# Altium PCB psu.PcbDoc (part 1 of 2) (continued)
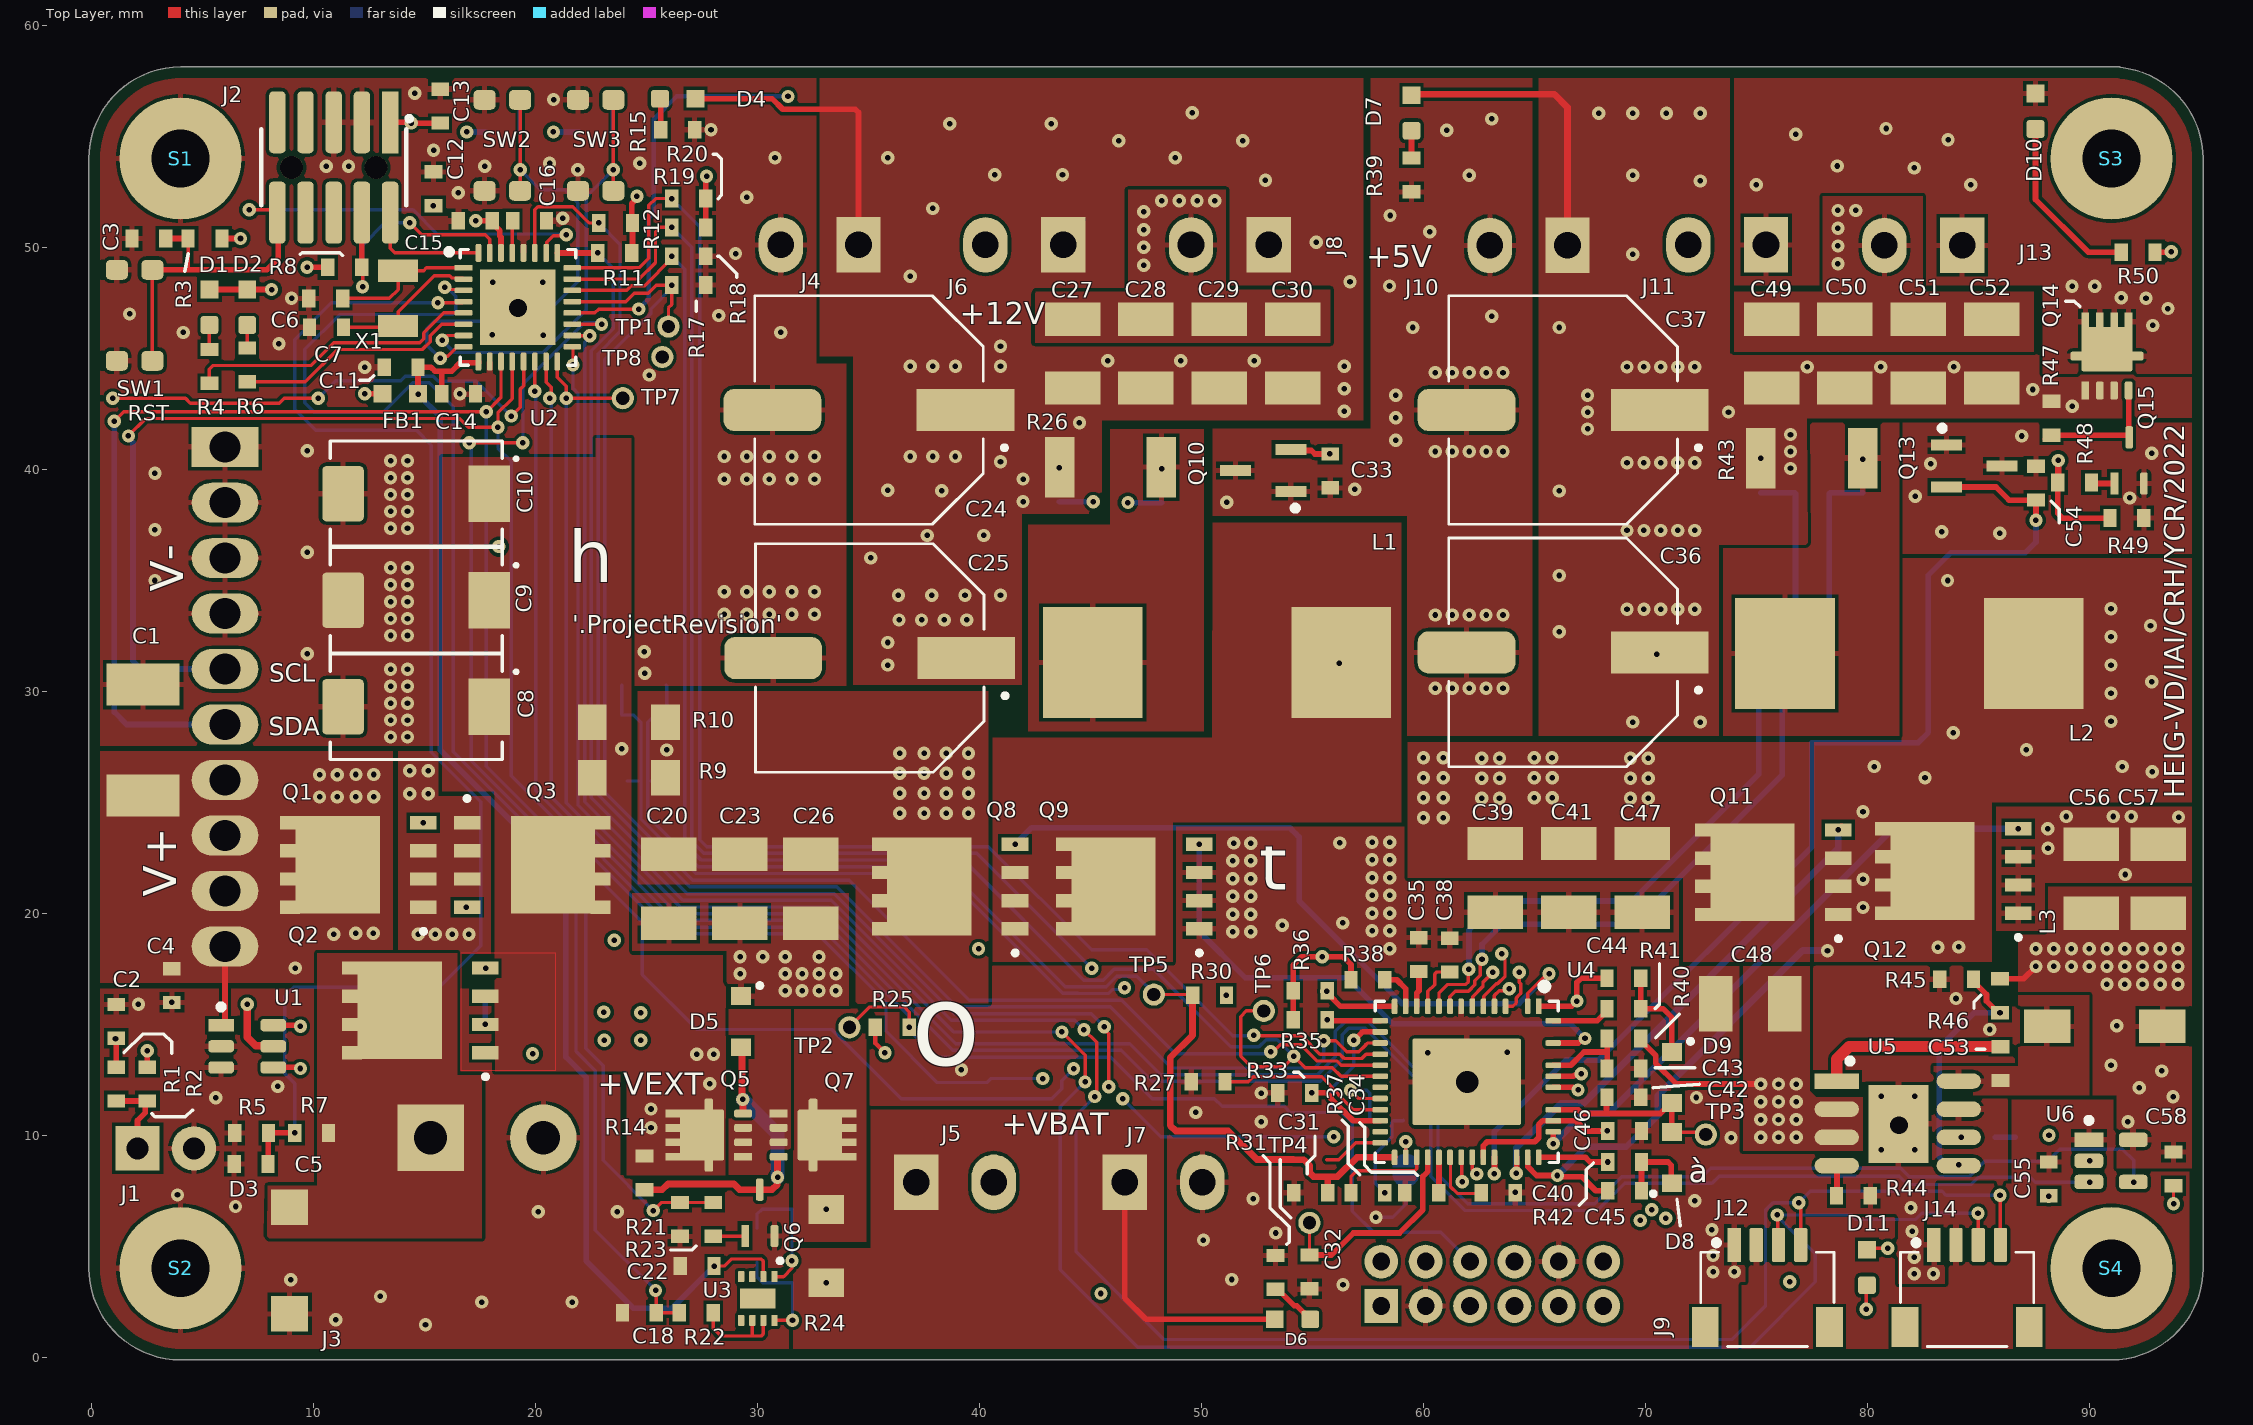
[diagram p0: Top Layer view]
## Design rules (kind name [scope] priority, off if disabled: settings) (continued)
PolygonConnect "Schematic Polygon Connect Style_15" [InComponent('C51')] p21: connectstyle=Direct reliefconductorwidth=0.254 reliefentries=4 polygonreliefangle="45 Angle" airgapwidth=0.254
PolygonConnect "Schematic Polygon Connect Style_14" [InComponent('C50')] p22: connectstyle=Direct reliefconductorwidth=0.254 reliefentries=4 polygonreliefangle="45 Angle" airgapwidth=0.254
PolygonConnect "Schematic Polygon Connect Style_6" [InComponent('C57')] p23: connectstyle=Direct reliefconductorwidth=0.254 reliefentries=4 polygonreliefangle="45 Angle" airgapwidth=0.254
PolygonConnect "Schematic Polygon Connect Style_5" [InComponent('C48')] p24: connectstyle=Direct reliefconductorwidth=0.254 reliefentries=4 polygonreliefangle="45 Angle" airgapwidth=0.254
PolygonConnect "Schematic Polygon Connect Style_4" [InComponent('C53')] p25: connectstyle=Direct reliefconductorwidth=0.254 reliefentries=4 polygonreliefangle="45 Angle" airgapwidth=0.254
PolygonConnect "Schematic Polygon Connect Style_3" [InComponent('C56')] p26: connectstyle=Direct reliefconductorwidth=0.254 reliefentries=4 polygonreliefangle="45 Angle" airgapwidth=0.254
PolygonConnect "Schematic Polygon Connect Style_2" [InComponent('C28')] p27: connectstyle=Direct reliefconductorwidth=0.254 reliefentries=4 polygonreliefangle="45 Angle" airgapwidth=0.254
PolygonConnect "Schematic Polygon Connect Style_1" [InComponent('C22')] p28: connectstyle=Direct reliefconductorwidth=0.254 reliefentries=4 polygonreliefangle="45 Angle" airgapwidth=0.254
PolygonConnect "Schematic Polygon Connect Style" [InComponent('C59')] p29: connectstyle=Direct reliefconductorwidth=0.254 reliefentries=4 polygonreliefangle="45 Angle" airgapwidth=0.254
PolygonConnect [All] p30: thpad.connectstyle=Relief thpad.reliefconductorwidth=0.254 thpad.reliefentries=4 thpad.polygonreliefangle="90 Angle" thpad.airgapwidth=0.15 smdpad.connectstyle=Relief smdpad.reliefconductorwidth=0.254 smdpad.reliefentries=4 smdpad.polygonreliefangle="90 Angle" smdpad.airgapwidth=0.15 via.connectstyle=Direct via.reliefconductorwidth=0.254 via.reliefentries=4 via.polygonreliefangle="90 Angle" via.airgapwidth=0.15
RoutingVias [All] p1: holewidth=0.25 width=0.6 viastyle="Through Hole" minholewidth=0.25 minwidth=0.6 maxholewidth=0.25 maxwidth=0.6
SilkToSilkClearance [All] p1: silktosilkclearance=0.07
SilkToSolderMaskClearance [IsPad] p1: minsilkscreentomaskgap=0.1 clearancetoexposedcopper=TRUE
SolderMaskExpansion [All] p1: expansion=0.06 istentingtop=FALSE
Width [All] p1: maxlimit=0.635 minlimit=0.15 preferedwidth=0.15
25 further rules are at their usual default settings.

## Classes and differential pairs
component class power: C1 C2 C3 C4 C5 C6 C7 C11 C12 C13 C14 C15 C16 C18 C22 C48 C53 C55 C56 C57 C58 C59 C62 C63 C64 D1 D2 D3 D4 D5 D6 D7 D10 D11 FB1 J1 J2 J3 J4 J5 J6 J7 J8 J10 J11 J12 J13 J14 J15 L3 Q1 Q2 Q3 Q5 Q6 Q7 Q14 Q15 R1 R2 R3 R4 R5 R6 R7 R8 R14 R15 R21 R22 R23 R24 R31 R35 R36 R39 R44 R45 R46 R47 R48 R49 R50 R51 R57 R58 R59 R62 R63 R64 S1 S2 S3 S4 SW1 SW2 SW3 TP7 TP8 U1 U2 U3 U5 U6 X1
component class Designator: C8 C9 C10 C17 C19 C20 C21 C23 C24 C25 C26 C27 C28 C29 C30 C31 C32 C33 C34 C35 C36 C37 C38 C39 C40 C41 C42 C43 C44 C45 C46 C47 C49 C50 C51 C52 C54 C60 C61 D8 D9 J9 L1 L2 Q8 Q9 Q10 Q11 Q12 Q13 R9 R10 R11 R12 R13 R16 R17 R18 R19 R20 R25 R26 R27 R30 R33 R37 R38 R40 R41 R42 R43 R52 R53 R55 R56 R60 R61 SB1 TP1 TP2 TP3 TP4 TP5 TP6 U4

## Components (designator, comment, footprint, x,y, rotation, side; value= is the part's Value field where it differs from the comment)
C1 "15nF" SM/C1812 2.311,27.798 r270 top
C2 "100n" SM/C0603 1.1,15.1 r270 top
C3 "100n" SM/C0603 2.6,50.4 r0 top
C4 "100n" SM/C0603 3.607,16.764 r90 top
C5 "100n" SM/C0603 7.2,8.7 r0 top
C6 "15p" SM/C0603 10.563,47.7 r0 top
C7 "15p" SM/C0603 10.6,46.4 r0 top
C8 "47u" CAP-TANTAL-2917-7343 14.619,29.3 r180 top
C9 "47u" CAP-TANTAL-2917-7343 14.619,34.1 r180 top
C10 "47u" CAP-TANTAL-2917-7343 14.619,38.9 r180 top
C11 "1u" SM/C0603 13.963,44.6 r0 top
C12 "100n" SM/C0603 15.4,52.613 r270 top
C13 "100n" SM/C0603 15.697,56.337 r270 top
C14 "100n" SM/C0603 16.5,43.4 r180 top
C15 "100n" SM/C0603 17.3,51.2 r0 top
C16 "1u" SM/C0603 19.7,51.2 r180 top
C17 "1n" SM/C0603 24.917,25.959 r0 bottom
C18 "100n" SM/C0603 24.7,2 r0 top
C19 "1n" SM/C0603 23.876,31.064 r90 bottom
C20 "2.2u" SM/C1210 26,21.1 r90 top
C21 "1n" SM/C0603 25.883,31.064 r90 bottom
C22 "100n" SM/C0603 27.3,4.1 r0 top
C23 "2.2u" SM/C1210 29.2,21.1 r90 top
C24 "150u" CAP_16SVP150M 35.02,42.672 r180 top
C25 "150u" CAP_16SVP150M 35.052,31.496 r180 top
C26 "2.2u" SM/C1210 32.4,21.1 r90 top
C27 "22uF" SM/C1210 44.196,45.212 r90 top
C28 "22uF" SM/C1210 47.498,45.212 r90 top
C29 "22uF" SM/C1210 50.8,45.212 r90 top
C30 "22uF" SM/C1210 54.102,45.212 r90 top
C31 "1u" SM/C0603 54.9,7.4 r180 top
C32 "1u" SM/C0603 54.864,3.81 r270 top
C33 "10n" SM/C0603 55.8,39.9 r270 top
C34 "220p" SM/C0603 59.9,7.4 r180 top
C35 "220p" SM/C0603 59.792,18.161 r90 top
C36 "150u" CAP_16SVP150M 66.294,31.75 r180 top
C37 "150u" CAP_16SVP150M 66.294,42.672 r180 top
C38 "4.7n" SM/C0603 61.189,18.136 r90 top
C39 "2.2u" SM/C1210 63.246,21.59 r90 top
C40 "4.7n" SM/C0603 63.4,7.4 r0 top
C41 "2.2u" SM/C1210 66.548,21.59 r90 top
C42 "4.7u" SM/C0603 69.063,11.709 r0 top
C43 "1u" SM/C0603 69.063,13.005 r0 top
C44 "100n" SM/C0603 69.012,17.069 r180 top
C45 "100n" SM/C0603 69.037,7.493 r180 top
C46 "4.7u" SM/C0603 69.088,10.185 r0 top
C47 "2.2u" SM/C1210 69.85,21.59 r90 top
C48 "10uF" SM/C1210 74.726,15.926 r180 top
C49 "22uF" SM/C1210 75.692,45.212 r90 top
C50 "22uF" SM/C1210 78.994,45.212 r90 top
C51 "22uF" SM/C1210 82.296,45.212 r90 top
C52 "22uF" SM/C1210 85.598,45.212 r90 top
C53 "100n" SM/C0603 86,13.2 r270 top
C54 "10n" SM/C0603 87.6,39.4 r90 top
C55 "2.2u" SM/C0603 88.18,8.05 r90 top
C56 "22uF" SM/C1210 90.1,21.55 r90 top
C57 "22uF" SM/C1210 93.1,21.55 r90 top
C58 "100n" SM/C0603 93.8,8.5 r90 top
C59 "3.3n" SM/C0603 87.4,9.9 r180 bottom
C60 "1n" SM/C0603 77.5,38.9 r180 bottom
C61 "1n" SM/C0603 45.9,38.5 r180 bottom
C62 "100n" SM/C0603 22.7,56.6 r0 bottom
C63 "100n" SM/C0603 18.5,56.6 r0 bottom
C64 "1n" SM/C0603 29.972,5.004 r270 bottom
D1 "USER1" SM/LED0603 5.3,47.3 r270 top
D2 "USER2" SM/LED0603 7,47.3 r270 top
D3 "SMAJ20CA" DO214AC 8.915,4.343 r90 top
D4 "12V" SM/LED0603 26.4,56.7 r180 top
D5 "DDZ6V8CSF-7" SOD323 29.261,15.113 r270 top
D6 "15V" SM/LED0603 54.1,1.7 r0 top
D7 "5VP" SM/LED0603 59.461,56.058 r270 top
D8 "CUS520,H3F" SOD323 71.196,8.985 r90 top
D9 "CUS520,H3F" SOD323 71.196,12.598 r270 top
D10 "5V" SM/LED0603 87.579,56.134 r270 top
D11 "+3.3VEN" SM/LED0603 79.985,4.039 r270 top
FB1 "MI0603L301R-10" SM/L0603 13.9,43.4 r180 top
J1 "E-STOP" CONN/HEADER/2.54mm/2POS 2.06,9.4 r180 top
J2 "FTSH-105-01-L-DV-K-A-P-TR" SAMTEC_FTSH-105-01-L-DV-K-A-P 10.9,53.6 r180 top
J3 "CONN 2 MALE" "CONN 2POS WEIDMULLER 5.08mm" 15.265,9.881 r0 top
J4 "5430425" "CONN2/PHOENIX/MC 1.5-2-G-3.5-GRAY" 34.544,50.114 r180 top
J5 "1844210" "CONN2/PHOENIX/MC 1.5-2-G-3.5-BLACK" 37.14,7.874 r0 top
J6 "5430425" "CONN2/PHOENIX/MC 1.5-2-G-3.5-GRAY" 43.764,50.114 r180 top
J7 "1844210" "CONN2/PHOENIX/MC 1.5-2-G-3.5-BLACK" 46.538,7.874 r0 top
J8 "5430425" "CONN2/PHOENIX/MC 1.5-2-G-3.5-GRAY" 53.03,50.114 r180 top
J9 "98414-G06-12LF‎" "CONN14 2mm" 58.1,2.3 r180 top
J10 "1844210" "CONN2/PHOENIX/MC 1.5-2-G-3.5" 66.492,50.089 r180 top
J11 "1844210" "CONN2/PHOENIX/MC 1.5-2-G-3.5" 75.438,50.114 r180 top
J12 "QWIIC I2C" QWIIC-SM04B-SRSS-TB 75.5,5.05 r0 top
J13 "1844210" "CONN2/PHOENIX/MC 1.5-2-G-3.5" 84.272,50.089 r180 top
J14 "QWIIC I2C" QWIIC-SM04B-SRSS-TB 84.5,5.05 r0 top
J15 "CONN DJI 10POS" "CONN DJI-Mavic2" 6,29.7 r270 bottom locked
L1 "4.7u" WE-7443551470 50.7,31.3 r0 top
L2 "4.7u" WE-7443551470 81.9,31.7 r0 top
L3 "4.7u" IND_311470_WRE 90.7,14.9 r180 top
Q1 "SI7633DP-T1-GE3" PG-TDSON-8_INF 11.938,22.174 r180 top
Q2 "SI7633DP-T1-GE3" PG-TDSON-8_INF 14.732,15.621 r180 top
Q3 "SI7633DP-T1-GE3" PG-TDSON-8_INF 19.914,22.174 r0 top
Q5 "AONR21117" DFN8_3x3_EP_AOS 27.8,10 r180 top
Q6 "RQ5E025AT" SOT323-3/SC-70/SOT65P210X110-3N 30.1,6.5 r90 top
Q7 "AONR21117" DFN8_3x3_EP_AOS 32.5,10 r0 top
Q8 "BSC042N03LSGATMA1" PG-TDSON-8_INF 38.6,21.2 r180 top
Q9 "BSC042N03LSGATMA1" PG-TDSON-8_INF 46.9,21.2 r180 top
Q10 "MMBT3906" SOT23-3 52.725,39.95 r180 top
Q11 "BSC042N03LSGATMA1" PG-TDSON-8_INF 75.692,21.844 r180 top
Q12 "BSC042N03LSGATMA1" PG-TDSON-8_INF 83.8,21.9 r180 top
Q13 "MMBT3906" SOT23-3 84.875,40.15 r0 top
Q14 "AONR21117" DFN8_3x3_EP_AOS 90.8,45.1 r90 top
Q15 "RQ5E025AT" SOT323-3/SC-70/SOT65P210X110-3N 91.8,40.4 r90 top
R1 "150" SM/R0603 1.1,12.3 r270 top
R2 "10k" SM/R0603 2.5,12.3 r90 top
R3 "10k" SM/R0603 5.1,50.4 r0 top
R4 "1k" SM/R0603 5.3,44.638 r90 top
R5 "470" SM/R0603 7.2,10.1 r0 top
R6 "1k" SM/R0603 7,44.7 r90 top
R7 "10k" SM/R0603 9.9,10.1 r0 top
R8 "1k" SM/R0603 11.4,49.1 r180 top
R9 "6m" SM/R1206 24.2,26.1 r0 top
R10 "6m" SM/R1206 24.2,28.6 r0 top
R11 "10k" SM/R0603 23.562,49.749 r0 top
R12 "10k" SM/R0603 23.6,51.1 r0 top
R13 "1k" SM/R0603 23.876,28.169 r270 bottom
R14 "10k" SM/R0603 24.9,8.3 r270 top
R15 "1.8k" SM/R0603 26.4,55.3 r180 top
R16 "1k" SM/R0603 25.908,28.118 r270 bottom
R17 "10k" SM/R0603 26.9,48.3 r180 top
R18 "10k" SM/R0603 26.9,49.6 r180 top
R19 "10k" SM/R0603 26.9,50.9 r0 top
R20 "10k" SM/R0603 26.9,52.2 r0 top
R21 "10k" SM/R0603 26.5,6.2 r90 top
R22 "150" SM/R0603 27.238,2 r180 top
R23 "2" SM/R0603 28,6.2 r270 top
R24 "12m" SM/R1206 33.1,5 r90 top
R25 "10k" SM/R0603 36.068,14.859 r180 top
R26 "3m" SM/R2010 45.9,40.1 r0 top
R27 "23.2k" SM/R0603 50.3,12.4 r0 top
R30 "20k" SM/R0603 50.362,16.3 r180 top
R31 "2.4k" SM/R0603 53.34,3.81 r270 top
R33 "17.8k" SM/R0603 54.2,11.9 r0 top
R35 "10k" SM/R0603 54.9,15.2 r180 top
R36 "10k" SM/R0603 54.9,16.5 r180 top
R37 "10k" SM/R0603 57.5,7.4 r0 top
R38 "10k" SM/R0603 57.5,17 r180 top
R39 "460" SM/R0603 59.461,53.264 r90 top
R40 "2" SM/R0603 69.037,14.351 r0 top
R41 "2" SM/R0603 69.037,15.697 r0 top
R42 "2" SM/R0603 69.063,8.788 r0 top
R43 "3m" SM/R2010 77.5,40.5 r0 top
R44 "200k" SM/R0603 79.375,7.264 r180 top
R45 "22.1k" SM/R0603 84.023,17.018 r0 top
R46 "69.8" SM/R0603 85.979,16.281 r90 top
R47 "10k" SM/R0603 88.3,42.3 r90 top
R48 "2" SM/R0603 89.338,39.4 r0 top
R49 "10k" SM/R0603 91.7,37.8 r180 top
R50 "460" SM/R0603 92.202,49.784 r180 top
R51 "9.31k" SM/R0603 85,9.9 r180 bottom
R52 "100" SM/R0603 79.8,39.7 r90 bottom
R53 "100" SM/R0603 75.2,39.7 r90 bottom
R55 "100" SM/R0603 48.2,39.262 r90 bottom
R56 "100" SM/R0603 43.6,39.3 r90 bottom
R57 "10k" SM/R0603 22.7,55.2 r180 bottom
R58 "10k" SM/R0603 18.5,55.2 r180 bottom
R59 "470k" SM/R0603 17.729,16.764 r90 bottom
R60 "DNP" SM/R0603 58.344,10.668 r180 bottom
R61 "DNP" SM/R0603 58.344,11.887 r0 bottom
R62 "1k" SM/R0603 32.334,6.655 r0 bottom
R63 "1k" SM/R0603 32.334,3.353 r0 bottom
R64 "10k" SM/R0603 79.959,4.089 r270 bottom
S1 "M2.5" HW/HOLE/M2.5#1 3.556,54.356 r0 top
S2 "M2.5" HW/HOLE/M2.5#2 4.064,3.556 r0 top
S3 "M2.5" HW/HOLE/M2.5#3 90.932,54.102 r0 top
S4 "M2.5" HW/HOLE/M2.5#4 91.186,3.556 r0 top
SB1 "WP" JUMPER/SB 59.207,8.407 r270 bottom net-tie
SW1 "RESET" "PB TL6330" 1.93,46.939 r90 top
SW2 "ENABLE 12V" "PB TL6330" 18.5,54.6 r90 top
SW3 "ENABLE 5V" "PB TL6330" 22.7,54.6 r90 top
TP1 "TP" TP/0.6 25.984,46.431 r90 top
TP2 "TP" TP/0.6 34.138,14.859 r90 top
TP3 "TP" TP/0.6 72.726,10.027 r90 top
TP4 "TP" TP/0.6 54.864,6.045 r90 top
TP5 "TP" TP/0.6 47.854,16.332 r90 top
TP6 "TP" TP/0.6 52.807,15.596 r90 top
TP7 "TP" TP/0.6 25.705,45.06 r90 top
TP8 "TP" TP/0.6 23.927,43.205 r90 top
U1 "LTC4412" SOT23-6 7,14 r0 top
U2 "ATSAMD20E14A-MUT" QFN32_5X5MC_MCH 19.2,47.3 r0 top
U3 "INA381" SON50P200X200X80-9N 30.009,2.636 r270 top
U4 "LTC3886" LT3886 61.95,12.399 r270 top
U5 "AP64350SP-13" SOIC8-POWER_PAD 81.373,10.531 r180 top
U6 "AP22814AW5-7" SOT23-5 90.983,8.839 r0 top
X1 "32.768k" RT3215-32.768-12.5 13.8,47.7 r90 top

## Footprints (in the part's own frame and the unit in brackets; to place one, negate y for a bottom-side part, rotate by r counter-clockwise, add the part's x,y. Pads: shape width x height; smd on the part's side, far side on the other; paste and mask are expansions set on the pad)
CAP-TANTAL-2917-7343 [mm]
  rect 1.87x2.541 smd paste+0 mask+0: 1(-3.3,0)
  rrect20% 1.87x2.5 smd paste+0 mask+0: 2(3.3,0)
  silkscreen extent -4.57,-2.37 3.87,2.37, body extent -3.7,-2.22 3.7,2.22, height 3.01
CAP_16SVP150M [mm]
  rect 4.4x1.9 smd: 1(-4.35,0)
  rrect50% 4.4x1.9 smd: 2(4.35,0)
  silkscreen extent -6.2,-5.15 5.15,5.15, body extent -5.5,-5.15 5.5,5.15, height 7.9
"CONN2/PHOENIX/MC 1.5-2-G-3.5" [mm]
  rect 2x2.5 hole 1.2: 1(0,0)
  oval 2x2.5 hole 1.2: 2(3.5,0)
  body extent -2.41,-8.03 5.99,1.17, height 7.25
"CONN2/PHOENIX/MC 1.5-2-G-3.5-BLACK" [mm]
  rect 2x2.5 hole 1.2: 1(0,0)
  oval 2x2.5 hole 1.2: 2(3.5,0)
  body extent -2.44,-8 5.96,1.2, height 7.25
"CONN2/PHOENIX/MC 1.5-2-G-3.5-GRAY" [mm]
  rect 2x2.5 hole 1.2: 1(0,0)
  oval 2x2.5 hole 1.2: 2(3.5,0)
  body extent -2.5,-8 5.9,1.2, height 7.25
"CONN14 2mm" [mm] "98414-G06-12ULF"
  rect 1.524x1.524 hole 0.8: 1(0,0)
  round 1.524 hole 0.8: 2(0,-2) 3(-2,0) 4(-2,-2) 5(-4,0) 6(-4,-2) 7(-6,0) 8(-6,-2) 9(-8,0) 10(-8,-2) 11(-10,0) 12(-10,-2)
  body extent -12,-4.1 2,2, height 5.85
"CONN 2POS WEIDMULLER 5.08mm" [mm]
  rect 3x3 hole 1.5: 1(0,0)
  round 3 hole 1.5: 2(5.08,0)
  body extent -3.6,-10 8.56,2, height 9.4
"CONN DJI-Mavic2" [mm]
  rect 1.8x3 hole 1.4 mask+0.1: 1(-11.3,0)
  oval 1.8x3 hole 1.4 mask+0.1: 2(-8.8,0) 3(-6.3,0) 4(-3.8,0) 5(-1.3,0) 6(1.2,0) 7(3.7,0) 8(6.2,0) 9(8.7,0) 10(11.2,0)
  body extent -17.87,-5.33 17.93,5.37, height 7.5
CONN/HEADER/2.54mm/2POS [mm]
  rect 2x2 hole 1: 1(0,0)
  round 2 hole 1: 2(-2.54,0)
  body extent -3.94,-1.27 1.27,1.27, height 8.38
DFN8_3x3_EP_AOS [mm]
  rect 0.813x0.35 smd paste+0 mask+0: 1(-1.549,0.975) 5(1.549,-0.975) 6(1.549,-0.325) 7(1.549,0.325) 8(1.549,0.975)
  rrect50% 0.813x0.35 smd paste+0 mask+0: 2(-1.549,0.325) 3(-1.549,-0.325)
  rrect50% 0.813x0.35 smd mask+0: 4(-1.549,-0.975)
  rrect50% 0.4x3.3 smd paste+0 mask+0: 8(0,0)
  rrect10% 2x2.3 smd paste+0 mask+0: 8(0.305,0)
  body extent -1.6,-1.55 1.6,1.55, height 0.8
DO214AC [mm]
  rect 1.6x1.67 smd: 1(2.4,0) 2(-2.4,0)
  body extent -2.63,-1.33 2.48,1.33, height 2.17
HW/HOLE/M2.5#1 [mm]
  round 5.5 / inner round 4 / far side round 5.5 hole 2.6: 1(0.444,-0.356)
HW/HOLE/M2.5#2 [mm]
  round 5.5 / inner round 4 / far side round 5.5 hole 2.6: 1(-0.064,0.444)
HW/HOLE/M2.5#3 [mm]
  round 5.5 / inner round 4 / far side round 5.5 hole 2.6: 1(0.068,-0.102)
HW/HOLE/M2.5#4 [mm]
  round 5.5 / inner round 4 / far side round 5.5 hole 2.6: 1(-0.186,0.444)
IND_311470_WRE [mil]
  rect 82.5x59 smd paste+0 mask+0: 1(-102.25,0) 2(102.25,0)
  body extent -141,-136 135,136, height 157
JUMPER/SB [mm]
  oval 0.5x0.6 smd paste-2 mask+0.07: 1(-0.483,0) 2(0.483,0)
  Top Layer region: 0.15,-0.6 0.41,-0.541 0.619,-0.374 0.735,-0.134 0.735,0.134 0.619,0.374 0.41,0.541 0.15,0.6 0.15,0.6
  Top Layer region: -0.15,0.6 -0.41,0.541 -0.619,0.374 -0.735,0.134 -0.735,-0.134 -0.619,-0.374 -0.41,-0.541 -0.15,-0.6 -0.15,-0.6
LT3886 [mm]
  rect 0.7x0.255 smd paste+0 mask+0: 1(-3.401,3.25)
  rrect50% 0.7x0.255 smd paste+0 mask+0: 2(-3.401,2.75) 4(-3.401,1.75) 5(-3.401,1.25) 6(-3.401,0.75) 7(-3.401,0.25) 8(-3.401,-0.25) 9(-3.401,-0.75) 10(-3.401,-1.25) 11(-3.401,-1.75) 12(-3.401,-2.25) 13(-3.401,-2.75) 14(-3.401,-3.25) 27(3.401,-3.25) 28(3.401,-2.75) 29(3.401,-2.25) 30(3.401,-1.75) 31(3.401,-1.25) 32(3.401,-0.75) 33(3.401,-0.25) 34(3.401,0.25) 35(3.401,0.75) 36(3.401,1.25) 38(3.401,2.25) 39(3.401,2.75) 40(3.401,3.25)
  rrect50% 0.255x0.7 smd paste+0 mask+0: 15(-2.75,-3.896) 16(-2.25,-3.896) 17(-1.75,-3.896) 18(-1.25,-3.896) 19(-0.75,-3.896) 20(-0.25,-3.896) 21(0.25,-3.896) 22(0.75,-3.896) 23(1.25,-3.896) 24(1.75,-3.896) 25(2.25,-3.896) 26(2.75,-3.896) 42(2.25,3.896) 43(1.75,3.896) 44(1.25,3.896) 46(0.25,3.896) 47(-0.25,3.896) 48(-0.75,3.896) 50(-1.75,3.896) 52(-2.75,3.896)
  rrect5% 3.9x4.9 smd paste-2.832 mask+0: 53(0,0)
  silkscreen extent -4.42,-4.13 3.63,4.13, body extent -3.5,-4 3.5,4, height 0.81
"PB TL6330" [mm]
  rrect50% 0.9x1 smd: 1(-2.05,0.8) 1(2.05,0.8) 2(-2.05,-0.8) 2(2.05,-0.8)
  body extent -2.3,-1.4 2.3,1.4, height 1.89
PG-TDSON-8_INF [mm]
  rect 1.2x0.6 smd: 1(-3,1.905) 2(-3,0.635) 3(-3,-0.635) 4(-3,-1.905)
  rect 0.9x0.6 smd: 5(3,-1.905) 6(3,-0.635) 7(3,0.635) 8(3,1.905)
  rect 3.8x4.4 smd paste-3: 8(0.864,0)
  silkscreen extent -3.1,2.89 -2.91,3.09, body extent -3.12,-2.58 3.03,2.58, height 1.1
QFN32_5X5MC_MCH [mil]
  rect 31.81x10.03 smd paste+0 mask+0: 1(-96.41,70)
  rrect50% 31.81x10.03 smd paste+0 mask+0: 2(-96.41,50) 3(-96.41,30) 4(-96.41,10) 5(-96.41,-10) 6(-96.41,-30) 7(-96.41,-50) 8(-96.41,-70) 17(96.41,-70) 18(96.41,-50) 19(96.41,-30) 20(96.41,-10) 21(96.41,10) 22(96.41,30) 23(96.41,50) 24(96.41,70)
  rrect50% 10.03x31.81 smd paste+0 mask+0: 9(-70,-96.41) 10(-50,-96.41) 11(-30,-96.41) 12(-10,-96.41) 13(10,-96.41) 14(30,-96.41) 15(50,-96.41) 16(70,-96.41) 25(70,96.41) 26(50,96.41) 27(30,96.41) 28(10,96.41) 29(-10,96.41) 30(-30,96.41) 31(-50,96.41) 32(-70,96.41)
  rect 133.86x133.86 smd paste-66.5 mask+0: 33(0,0)
  silkscreen extent -127,-102 102,104, body extent -101,-101 101,101, height 65
QWIIC-SM04B-SRSS-TB [mm]
  rect 0.6x1.55 smd: 1(-1.5,0)
  rrect30% 0.6x1.55 smd: 2(-0.5,0) 3(0.5,0) 4(1.5,0)
  rect 1.2x1.8 smd: S1(-2.8,-3.7) S2(2.8,-3.7)
  silkscreen extent -3,-4.57 3,0.2, body extent -3,-4.6 3,0.35, height 2.94
RT3215-32.768-12.5 [mm]
  rect 1x1.8 smd: 1(-1.25,0) 2(1.25,0)
  body extent -1.61,-0.76 1.61,0.76, height 0.9
SAMTEC_FTSH-105-01-L-DV-K-A-P [mm]
  rect 0.74x2.79 smd: 1(-2.54,-2.035)
  rrect50% 0.74x2.79 smd: 2(-2.54,2.035) 3(-1.27,-2.035) 4(-1.27,2.035) 5(0,-2.035) 6(0,2.035) 7(1.27,-2.035) 8(1.27,2.035) 9(2.54,-2.035) 10(2.54,2.035)
  round 1.02 hole 1.02 unplated mask+0.102: ""(-1.905,0) ""(1.905,0)
  silkscreen extent -3.52,-2.32 3.26,1.72, body extent -3.18,-2.92 3.18,2.92, height 6.15
SM/C0603 [mm] "Chip Capacitor, Body 1.6x0.8mm, IPC Low Density"
  rect 0.6x0.8 smd: 1(-0.787,0) 2(0.737,0)
  body extent -0.83,-0.4 0.77,0.4, height 0.6
SM/C1210 [mm] "Chip Resistor, Body 3.2x1.6mm, IPC Low Density"
  rect 1.5x2.5 smd: 1(-1.55,0) 2(1.55,0)
  body extent -1.65,-1.24 1.55,1.26, height 2.5
SM/C1812 [mm] "Chip Capacitor, 2-Leads, Body 7.00x3.15mm, IPC Medium Density"
  rect 1.9x3.3 smd: 1(-2.5,0) 2(2.5,0)
  body extent -2.43,-1.73 2.37,1.77, height 1.54
SM/L0603 [mm] "Chip Capacitor, Body 1.6x0.8mm, IPC Low Density"
  rect 0.8x0.8 smd: 1(-0.8,0) 2(0.8,0)
  body extent -0.77,-0.39 0.83,0.41, height 0.45
SM/LED0603 [mm] "Chip Capacitor, Body 1.6x0.8mm, IPC Low Density"
  rect 0.8x0.8 smd: 1(-0.8,0)
  rrect30% 0.8x0.8 smd: 2(0.8,0)
  body extent -0.78,-0.4 0.84,0.4, height 0.73
SM/R0603 [mm] "Chip Resistor, Body 1.6x0.8mm, IPC Low Density"
  rect 0.6x0.8 smd: 1(-0.762,0) 2(0.762,0)
  body extent -0.8,-0.4 0.8,0.4, height 0.4
SM/R1206 [mm] "Chip Resistor, Body 3.2x1.6mm, IPC Low Density"
  rect 1.3x1.6 smd: 1(-1.651,0) 2(1.651,0)
  body extent -1.6,-0.8 1.6,0.8, height 0.55
SM/R2010 [mm]
  rect 1.33x2.72 smd: 1(-2.294,0) 2(2.294,0)
  body extent -2.5,-1.27 2.5,1.23, height 0.54
SOD323 [mm]
  rect 0.8x0.9 smd: 1(-1.15,0) 2(1.15,0)
  silkscreen extent -1.73,0.74 -1.53,0.94, body extent -1.25,-0.67 1.25,0.67, height 1
SOIC8-POWER_PAD [mm] "8-Pin Small Outline Integrated Circuit 1.27 mm Pitch, IPC Low Density"
  rect 2x0.7 smd: 1(2.749,-1.905)
  oval 2x0.7 smd: 2(2.749,-0.635) 3(2.749,0.635) 4(2.749,1.905) 5(-2.749,1.905) 6(-2.749,0.635) 7(-2.749,-0.635) 8(-2.749,-1.905)
  rect 2.7x3.5 smd paste-1.6: 9(-0.027,0.031)
  silkscreen extent 2.03,-2.93 2.28,-2.68, body extent -2.97,-2.5 3.05,2.5, height 1.75
SON50P200X200X80-9N [mm]
  rect 0.5x0.28 smd: 1(-0.985,0.75)
  rrect25% 0.5x0.28 smd: 2(-0.985,0.25) 3(-0.985,-0.25) 4(-0.985,-0.75) 5(0.985,-0.75) 6(0.985,-0.25) 7(0.985,0.25) 8(0.985,0.75)
  rect 0.9x1.6 smd paste-2: 9(0,0)
  silkscreen extent -1.8,0.9 -1.6,1.1, body extent -1,-1 1,1, height 0.8
SOT23-3 [mm] "SOT23, 3-Leads, Body 3.0x2.6mm (max), Pitch 0.95mm, IPC Low Density"
  rect 1.4x0.5 smd: 1(-1.3,0.95) 2(-1.3,-0.95) 3(1.2,0)
  silkscreen extent -1.63,1.58 -1.38,1.82, body extent -1.57,-1.5 1.42,1.5, height 1.46
SOT23-5 [mm] "SOT23, 5-Leads, Body 3.0x2.6mm (max), Pitch 0.95mm, IPC Low Density"
  rect 1.3x0.65 smd: 1(-1,0.95)
  rrect50% 1.3x0.65 smd: 2(-1,0) 3(-1,-0.95) 4(1,-0.95) 5(1,0.95)
  silkscreen extent -1.12,1.7 -0.87,1.95, body extent -1.52,-1.5 1.48,1.5, height 1.45
SOT23-6 [mm] "SOT23, 6-Leads, Body 3.1x3.2mm (max), Pitch 0.95mm, IPC Medium Density"
  rect 1.15x0.55 smd: 1(-1.175,0.95)
  rrect50% 1.15x0.55 smd: 2(-1.175,0) 3(-1.175,-0.95) 4(1.175,-0.95) 5(1.175,0) 6(1.175,0.95)
  silkscreen extent -1.3,1.65 -1.05,1.9, body extent -1.5,-1.5 1.5,1.5, height 1.3
SOT323-3/SC-70/SOT65P210X110-3N [mm]
  rect 1x0.35 smd: 1(-1.041,0.66)
  rrect50% 1x0.35 smd: 2(-1.041,-0.66) 3(1.041,0)
  body extent -1.15,-1.05 1.15,1.05, height 1
TP/0.6 [mm]
  round 1 hole 0.6: 1(0,0)
WE-7443551470 [mm] "Inductor"
  rect 4.5x5 smd: 1(-5.6,0) 2(5.6,0)
  body extent -7.1,-6.4 7.1,6.4, height 6.34

## Part data
C1: library part C, "0.015 µF ±10% 1500V (1.5kV) Ceramic Capacitor X7R 1812 (4532 Metric)", Dielectric=X7R, Supplier Part Number 1=478-10711-1-ND, Voltage=1500V, Supplier 1=Digi-Key
C2 C3 C4 C5 C6 C7 C11 C12 C13 C14 C15 C16 C17 C19 C21 C31 C32 C33 C34 C35 C38 C40 C42 C43 C44 C45 C46 C54 C55 C58 C60 C61 C62 C63 C64: library part C, "Chip Capacitor", Dielectric=X7R, Supplier 2 Part Number=1292-1393-1-ND, Voltage=16V, Supplier 2=Digi-Key
C8 C9 C10: library part C+2312, "47µF Molded Tantalum Capacitors 25V 2917 (7343 Metric) 900mOhm", Supplier Part Number 1=478-5259-1-ND, Voltage=25V, Supplier 1=Digi-Key
C18 C22 C53 C56 C57 C59: library part C, "CL32B226KPJVPNE", Supplier Part Number 1=490-1719-1-ND, Rule="Polygon Connect Style [Style - Direct Connect]", Supplier 1=Digi-Key
C20 C23 C26 C39 C41 C47: library part C, "GMK325B7225KNHT CAP CER 2.2UF 35V X7R 1210", Dielectric=X7R, Supplier 2 Part Number=1292-1393-1-ND, Supplier Part Number 1=587-3720-1-ND, Voltage=16V, Supplier 1=Digi-Key, Supplier 2=Digi-Key
C24 C25 C36 C37: library part C+2312, "CAP ALUM POLY 150UF 20% 16V SMD", Supplier Part Number 1=P16458CT-ND, Voltage=16V, Supplier 1=Digi-Key
C27 C28 C29 C30 C49 C50 C51 C52: library part C, "CL32B226KOJVPJE CAP CER 22UF 16V X7R 1210", Supplier Part Number 1=1276-6801-1-ND, Rule="Polygon Connect Style [Style - Direct Connect]", Supplier 1=Digi-Key
C48: library part C, "10µF ±10% 25V Ceramic Capacitor X5R 1210 (3225 Metric)", Supplier Part Number 1=1276-1854-6-ND, Voltage=25V, Rule="Polygon Connect Style [Style - Direct Connect]", Supplier 1=Digi-Key
D1: library part LED
D2 D11: library part LED, Supplier Part Number 1=492-1325-1-ND, Supplier 1=Digi-Key
D3: library part "D TVS", "32.4V Clamp 12.3A Ipp Tvs Diode Surface Mount DO-214AC (SMA)", Supplier Part Number 1=SMAJ20CA-E3/61GICT-ND, Supplier 1=Digi-Key
D4 D6 D7 D10: library part LED, Supplier Part Number 1=732-4979-1-ND, Supplier 1=Digi-Key
D5: library part "D ZENER", "Zener Diode 6.84 V 500 mW ±3% Surface Mount SOD-323F", Supplier Part Number 1=DDZ6V8CSF-7DICT-ND, Supplier 1=Digi-Key
D8 D9: library part "D SCHOTTKY CUS520", "Diode Schottky 30V 200mA Surface Mount USC", Supplier Part Number 1=CUS520H3FCT-ND, Supplier 1=Digi-Key
FB1: library part FB0603, Supplier Part Number 1=240-2374-1-ND, Supplier 1=Digi-Key
J1: library part "CONN 2 MALE", Supplier Part Number 1=WM2722-ND, Supplier 1=Digi-Key
J2: library part "CONN 10 (2x5)", "Connector Header Surface Mount 10 position 0.050\" (1.27mm)", Supplier Part Number 1=SAM13163CT-ND, Supplier 1=Digi-Key
J4 J6 J8: library part "CONN 2 PHOENIX 3.5 mm", "TERM BLOCK HDR 2POS 90DEG 3.5MM", Supplier Part Number 1=277-11181-ND, Imax=8A, Supplier 1=Digi-Key
J5 J7: library part "CONN 2 PHOENIX 3.5 mm", "TERM BLOCK HDR 2POS 90DEG 3.5MM", Supplier Part Number 1=WM7770-ND, Imax=8A, Supplier 1=Digi-Key
J9: library part "CONN 12", "CONN HEADER VERT 12POS 2MM", Supplier Part Number 1=609-2581-ND, Supplier 1=Digi-Key
J10 J11 J13: library part "CONN 2 PHOENIX 3.5 mm", "TERM BLOCK HDR 2POS 90DEG 3.5MM", Supplier Part Number 1=277-2416-ND, Imax=8A, Supplier 1=Digi-Key
J12 J14: library part "CONN 4", Supplier Part Number 1=474-PRT-14417, Supplier 1=Mouser
L1 L2: library part L, "FIXED IND 4.7UH 13A 7 MOHM SMD / 7443551470", Supplier Part Number 1=732-1128-1-ND, Imax=13A, Rs=7mOhm, Supplier 1=Digi-Key
L3: library part L, "FIXED IND 4.7UH 6A 19.5 MOHM SMD", Supplier Part Number 1=732-1153-6-ND, Supplier 1=Digi-Key
Q1 Q2 Q3: library part NDS9435A, "P-Channel 20 V 60A (Tc) 6.25W (Ta), 104W (Tc) Surface Mount PowerPAK® SO-8", Supplier Part Number 1=SI7633DP-T1-GE3CT-ND, Rdson="3.3 mΩ", Supplier 1=Digi-Key
Q5 Q7 Q14: library part NDS9435A, "Alpha & Omega Semiconductor Inc. / MOSFET P-CH 20V 26.5A/34A 8DFN", Supplier Part Number 1=785-1849-1-ND, Rdson="4.8 mΩ", Supplier 1=Digi-Key
Q6 Q15: library part BSS84, "P-Channel 30V 1.5A (Ta) 350mW (Ta) Surface Mount SOT-323"
Q8 Q9 Q11 Q12: library part BSC0502NSIATMA1, "N-Channel 30V 20A (Ta), 93A (Tc) 2.5W (Ta), 57W (Tc) Surface Mount PG-TDSON-8-5", Supplier Part Number 1=BSC042N03LSGATMA1CT-ND, Supplier 1=Digi-Key
Q10 Q13: library part Q/FMMT558, "TRANS PNP 400V 150MA HV SOT23-3"
R1 R2 R3 R4 R5 R6 R7 R8 R11 R12 R13 R14 R15 R16 R17 R18 R19 R20 R21 R22 R23 R25 R27 R30 R31 R33 R35 R36 R37 R38 R39 R40 R41 R42 R44 R45 R46 R47 R48 R49 R50 R51 R52 R53 R55 R56 R57 R58 R59 R60 R61 R62 R63 R64: library part R, "Chip Resistor SMD"
R9 R10: library part R, "Chip Resistor SMD", Supplier Part Number 1=RHM.006ALCT-ND, Supplier 1=Digi-Key
R24: library part R, "12 mOhms ±1% 0.75W, 3/4W Chip Resistor 1206 (3216 Metric) Automotive AEC-Q200, Current Sense Metal Foil", Supplier Part Number 1=408-1571-1-ND, Supplier 1=Digi-Key
R26 R43: library part R, "2019-TLR2HWDTE3L00F75CT-ND", Supplier 1=Digi-Key, Supplier Part Number 1=2019-TLR2HWDTE3L00F75CT-ND
S1 S2 S3 S4: library part HOLE/M2.5
SB1: library part SOLDER-BRIDGE
SW1 SW3: library part "SWTICH (1)", Supplier Part Number 1=EG5546CT-ND, Supplier 1=Digi-Key
SW2: library part "SWTICH (1)", Supplier Part Number 1=TL751M12QKTTRQ1, Supplier 1="TI store"
TP1 TP2 TP3 TP4 TP5 TP6 TP7 TP8: "Test Point"
U1: "OR Controller N+1 ORing Controller P-Channel 2:1 TSOT-23-6"
U2: library part MCU/ATSAMD20E14A-MUT, "ARM® Cortex®-M0+ SAM D20E Microcontroller IC 32-Bit 48MHz 16KB (16K x 8) FLASH 32-QFN (5x5)", Supplier Part Number 1=ATSAMD20E14A-MUTCT-ND, Supplier 1=Digi-Key
U3: "LOW COST CURRENT SENSOR WITH COM", Supplier Part Number 1=296-50475-1-ND, Supplier 1=Digi-Key
U4: Supplier Part Number 1=584-LTC3886EUKG#PBF, Supplier 1=Mouser
U5: library part AP64350, "Buck Switching Regulator IC Positive Adjustable 0.8V 1 Output 3.5A 8-SOIC (0.154\", 3.90mm Width) Exposed Pad", Supplier 1=Avnet, Supplier Part Number 1=AP64350SP-13
U6: library part AP22804, Supplier Part Number 1=AP22814AW5-7DICT-ND, Supplier 1=Digi-Key
X1: library part XTAL, Supplier Part Number 1=2151-RT3215-32.768-12.5-TRCT-ND, Supplier 1=Digi-Key

## Via types
v1: diameter 0.6, hole 0.25, Top Layer to Bottom Layer, tented both sides, 614 vias
v2: diameter 0.6, hole 0.25, Top Layer to Bottom Layer, 7 vias
v3: diameter 1.5, hole 0.8, Top Layer to Bottom Layer, tented both sides, 1 vias
v4: diameter 1.6, hole 1, Top Layer to Bottom Layer, tented both sides, 1 vias
v5: diameter 1.2, hole 0.8, Top Layer to Bottom Layer, tented both sides, 1 vias

## Nets (pads, with @x,y where several pads share a name; then routed paths per layer and width w, separated by ;. In a path a pad name is that pad's centre, name@x,y a point inside that pad or via, vN(x,y) a via of type N, cw(c..) or ccw(c..) an arc to the next point about the centre after c; other vN are vias at no path point)
+2.5VLTC: C31.1 R30.2 TP5.1 U4.27 | length 20.4
  Top Layer w0.15: TP5.1@47.854,16.332 49.568,16.332 R30.2@49.6,16.3
  Top Layer w0.254: 54.138,8.9 54.148,8.89
  Top Layer w0.305: R30.2@49.6,16.3 49.6,14.496 48.59,13.487 48.59,10.439 48.844,10.185 51.206,10.185 52.492,8.9 54.138,8.9 ; 54.148,8.89 54.61,8.89 54.864,8.636 54.864,8.307 55.043,8.128 55.639,8.128 ; C31.1@55.687,7.4 55.687,8.079 55.639,8.128 ; U4.27@58.7,8.998 57.004,8.998 56.134,8.128 55.639,8.128
+3.3V: C12.2 C13.2 C15.2 C56.1 C57.1 C58.2 D1.1 D2.1 FB1.2 J2.1 J9.5 L3.1 R2.2 R3.2 R8.2 R11.2 R12.2 R19.2 R20.2 R25.2 R35.2 R36.2 R37.2 R38.2 R46.2 R57.2 R58.2 R60.1 TP7.1 U2.30 U6.5 | length 31.2
  Top Layer w0.203: R25.2@35.306,14.859 35.306,14.148 v1(35.738,13.716)
  Top Layer w0.254: R2.2@2.5,13.062 v1(2.5,13.8) ; D1.1@5.3,48.1 D2.1@7,48.1 v1(8.1,48.1) ; R3.2@5.862,50.4 v1(6.7,50.4) ; v1(9.7,49.1) R8.2@10.638,49.1 ; v1(12.3,43.4) FB1.2@13.1,43.4 ; J2.1@13.44,55.635 14.365,55.635 v1(14.4,55.6) C13.2@15.697,55.601 ; C12.2@15.392,51.868 C12.2@15.4,51.876 ; v1(17.3,51.2) C15.2@18.037,51.2 18.037,51.1 18.386,50.75 18.386,50.514 18.438,50.462 U2.30@18.438,49.749 ; R11.2@24.362,49.8 R12.2@24.362,51.1 24.331,51.131 24.331,51.974 24.562,52.205 v1(24.562,52.299) ; R19.2@27.662,50.9 R20.2@27.662,52.2 27.662,53.162 v1(27.7,53.2) ; R35.2@54.077,15.139 R35.2@54.138,15.2 54.128,15.209 54.138,15.219 R36.2@54.138,16.5 54.138,17.667 54.505,18.034 56.388,18.034 56.738,17.684 R38.2@56.738,17 ; R46.2@85.979,17.043 87.043,17.043 v1(87.6,17.6) ; C58.2@93.793,9.243 C58.2@93.8,9.237
  Bottom Layer w0.15: v1(58.262,7.4) 57.836,7.826 57.836,9.169 58.572,9.906 58.572,10.566 58.649,10.643 59.08,10.643 R60.1@59.106,10.668
  Bottom Layer w0.254: v1(16.9,55.2) R58.2@17.738,55.2 ; v1(20.8,55.2) R57.2@21.938,55.2
  other v1: 69.766,6.153 70.917,6.248 70.282,6.629 91.744,10.605 93.777,11.735 92.252,12.129 93.268,12.891 90.982,13.145 91.236,14.923 90.8,16.8 91.6,16.8 92.4,16.8 93.2,16.8 94,16.8 88.4,17.6 89.2,17.6 90,17.6 90.8,17.6 91.6,17.6 92.4,17.6 93.2,17.6 94,17.6 55.446,18.034 87.6,18.4 88.4,18.4 89.2,18.4 90,18.4 90.8,18.4 91.6,18.4 92.4,18.4 93.2,18.4 94,18.4 15.392,51.867
+3.3VA: C11.2 C14.2 C22.2 FB1.1 U2.9 U3.2 | length 57.7
  Top Layer w0.152: v1(28.037,4.1) 28.5,4.1 28.816,4.416 30.161,4.416 30.25,4.326 30.25,3.885
  Top Layer w0.254: v1(14.7,43.371) FB1.1@14.7,43.4 C11.2@14.7,44.6 15.284,44.6 15.461,44.423 15.763,44.423 ; C14.2@15.763,43.4 15.763,44.423 ; U2.9@17.422,44.8 16.6,44.8 16.223,44.423 15.763,44.423 ; U2.9@17.422,44.8 U2.9@17.422,44.851
  Bottom Layer w0.254: v1(14.7,43.371) 15.7,42.371 15.7,27.344 21.361,21.683 21.361,13.513 22.276,12.598 22.276,4.324 22.33,4.27 24.4,2.2 26.137,2.2 v1(28.037,4.1)
+3.3VI2C: C55.2 J12.2 J14.2 U6.1 | length 0
  Top Layer w0.152: C55.2@88.18,8.787 C55.2@88.193,8.8
+3.3VLTC: C32.1 TP4.1 U4.30 | length 9.9
  Top Layer w0.15: C32.1@54.864,4.597 TP4.1@54.864,6.045
  Top Layer w0.254: C32.1@54.864,4.597 55.855,4.597 56.845,5.588 58.928,5.588 59.973,6.633 59.973,8.14 60.2,8.366 U4.30@60.2,8.998
+5V: C36.1 C37.1 C46.1 C49.1 C50.1 C51.1 C52.1 D7.1 J10.1 Q14.1 Q14.2 Q14.3 R43.1 R47.2 R53.2 U4.35 U4.43 | length 45.2
  Top Layer w0.254: U4.35@62.7,8.998 62.7,9.524 62.879,9.703 65.016,9.703 65.194,9.881 65.194,10.47 65.373,10.649 66.864,10.649 67.328,10.185 C46.1@68.264,10.185
  Top Layer w0.305: D7.1@59.3,56.9 65.9,56.9 66.492,56.308 J10.1@66.492,50.038 ; C46.1@68.264,10.185 v1(68.284,10.206)
  Top Layer w0.635: C37.1@69.394,42.672 C37.1@70.644,42.672
  +3.3V w0.635: v1(68.284,10.206) 68.284,11.21 69.939,12.865 69.939,17.361 71.399,18.821 71.399,30.785 v1(70.51,31.674)
  Bottom Layer w0.635: R53.2@75.2,40.462 75.206,40.468 v1(75.206,40.5)
  other v1: 69.428,28.61 72.476,28.61 66.126,32.674 69.174,33.69 69.936,33.69 70.698,33.69 71.46,33.69 72.222,33.69 66.126,35.214 69.174,37.246 69.936,37.246 70.698,37.246 71.46,37.246 72.222,37.246 66.126,39.024 76.54,40.04 69.174,40.294 69.936,40.294 70.698,40.294 71.46,40.294 72.222,40.294 76.54,40.802 76.54,41.564 67.396,41.818 67.396,42.58 73.746,42.58 89.24,42.834 67.396,43.342 87.462,43.596 69.174,44.612 69.936,44.612 70.698,44.612 71.46,44.612 72.222,44.612 77.302,44.612 80.604,44.612 83.906,44.612 66.126,46.39 69.428,49.692 72.476,52.994 69.428,53.248 67.904,56.042 69.428,56.042 70.952,56.042 72.476,56.042
+12V: C24.1 C25.1 C27.1 C28.1 C29.1 C30.1 D4.1 J4.1 J6.1 J8.1 R26.1 R56.2 U4.7 | length 50.6
  Top Layer w0.152: U4.7@62.2,15.8 62.217,15.817 62.217,16.242 62.685,16.71 62.685,16.889 63.12,17.324 v1(63.12,17.344)
  Top Layer w0.254: D4.1@27.2,56.7 30.653,56.7 31.13,56.223 34.395,56.223 34.544,56.074 J4.1@34.544,50.038 ; J6.1@43.764,50.114 43.764,50.364 J6.1@44.637,51.237 ; J8.1@52.578,50.566 J8.1@53.03,50.114
  +3.3V w0.152: v1@63.115,17.344 v1(63.12,17.344)
  +3.3V w0.508: v1(40.945,34.322) 48.343,26.924 56.134,26.924 59.563,23.495 59.563,18.11 61.011,16.662 62.433,16.662 v1@63.115,17.344
  other v1: 35.864,31.179 35.864,32.195 36.372,33.211 37.388,33.211 38.404,33.211 39.42,33.211 36.345,34.322 37.845,34.322 39.345,34.322 35.102,36.005 37.642,37.021 40.182,37.021 41.96,38.545 38.303,39.04 35.864,39.053 41.96,39.561 43.6,40.062 40.945,40.335 36.88,40.577 37.896,40.577 38.912,40.577 44.5,42.101 56.438,42.609 56.438,43.625 36.88,44.641 37.896,44.641 38.912,44.641 40.944,44.641 56.438,44.641 45.77,44.895 49.072,44.895 52.374,44.895 40.945,45.542 56.692,48.451 36.88,48.705 55.168,50.229 37.896,51.753 52.882,53.023 40.69,53.277 43.738,53.277 35.864,54.039 48.818,54.039 46.278,54.801 51.866,54.801 38.658,55.563 43.23,55.563 49.58,56.071
+VINT: C42.1 D8.2 D9.2 TP3.1 U4.44 | length 9.4
  Top Layer w0.15: D8.2@71.196,10.135 72.619,10.135 TP3.1@72.833,9.92
  Top Layer w0.254: U4.44@65.847,11.149 66.972,11.149 67.148,10.973 68.25,10.973 ; C42.1@68.275,11.709 68.25,11.684 68.25,10.973 ; D8.2@71.196,10.135 D9.2@71.196,11.448 71.146,11.448 70.671,10.973 68.25,10.973
+VMAIN: C8.1 C9.1 C10.1 C48.1 Q2.1 Q2.2 Q2.3 Q3.5 Q3.6 Q3.7 Q3.8 Q5.5 Q5.6 Q5.7 Q5.8 R9.1 R10.1 R13.2 R14.1 R40.2 R59.1 U1.6 U5.2 U5.3 | length 17.1
  Top Layer w0.254: U1.6@8.175,14.95 9.35,14.95 v1(9.4,14.9) ; R40.2@69.799,14.351 69.799,14.251 70.469,13.581 70.469,13.234 71.403,12.3 v1(75.2,12.3)
  +3.3V w0.35: v1(9.4,14.9) 9.448,14.948 17.694,14.948 v1(17.732,14.986)
  Bottom Layer w0.254: R59.1@17.729,16.002 17.732,15.999 v1(17.732,14.986)
  other v1: 75.2,9.9 76,9.9 76.8,9.9 25.197,10.338 75.2,10.7 76,10.7 76.8,10.7 25.197,11.176 75.2,11.5 76,11.5 76.8,11.5 76,12.3 76.8,12.3 27.838,12.319 27.254,13.64 28.016,13.64 23.876,27.407
CURRENT: C18.2 R22.2 U2.3 | length 65.7
  Top Layer w0.152: v1(15.9,48.2) 16.021,48.2 16.119,48.102 16.711,48.102 U2.3@16.751,48.062 ; v1(25.4,3) 25.437,2.963 C18.2@25.437,2 R22.2@26.476,2
  Bottom Layer w0.152: v1(15.9,48.2) 16,48.2 16.4,47.8 16.4,47.134 16.24,46.974 11.174,46.974 9.602,45.402 9.602,42.998 10.029,42.571 13.125,42.571 14.451,43.898 15.2,43.898 16.281,42.816 16.281,27.263 21.819,21.725 21.819,13.767 22.682,12.903 22.682,5.718 v1(25.4,3)
E-STOP: C2.2 R1.1 U2.13 | length 52.6
  Top Layer w0.152: v1(0.94,43.205) 0.945,43.2 4.221,43.2 4.445,42.976 8.438,42.976 8.661,43.2 v1(10.2,43.2) ; v1(18.9,42.4) 19.304,42.804 19.304,43.618 19.454,43.768 U2.13@19.454,44.851
  Top Layer w0.254: R1.1@1.1,13.062 C2.2@1.1,14.351
  +3.3V w0.152: v1(0.94,43.205) 0.483,42.748 0.483,14.935 v1(1.067,14.351)
  Bottom Layer w0.152: v1(10.2,43.2) 10.993,43.993 13.919,43.993 14.126,44.2 15.39,44.2 15.62,43.969 17.331,43.969 v1(18.9,42.4)
ENABLE-5V-POWER: R48.1 R49.2 U2.20 | length 94.7
  Top Layer w0.152: U2.20@21.649,47.046 21.655,47.052 22.67,47.052 22.836,47.219 v1(24.638,47.219) ; R48.1@88.576,39.4 R48.1@88.6,39.424
  Top Layer w0.254: R48.1@88.576,39.4 88.576,38.024 88.8,37.8 R49.2@90.938,37.8
  Top Layer w0.305: R48.1@88.6,39.424 v1(88.6,40.4)
  +3.3V w0.2: v1(31.369,56.8) 31.719,57.15 84.15,57.15 86.7,54.6 86.7,48.8 88.6,46.9 v1(88.6,40.4)
  Bottom Layer w0.2: v1(24.638,47.219) 25.1,47.681 25.1,51.331 25.324,51.555 25.324,55.778 26.345,56.8 v1(31.369,56.8)
ENABLE-VBAT-POWER: R21.2 R23.1 U2.19 | length 52
  Top Layer w0.152: v1(17,41.2) v1(19.423,41.2) ; U2.19@21.649,46.538 21.651,46.54 22.966,46.54 v1(22.968,46.542) ; v1(25.3,6.6) 25.662,6.962 R21.2@26.5,6.962 R23.1@28,6.962
  Bottom Layer w0.152: v1(17,41.2) 17,41.1 17.1,41 17.1,26.872 22.25,21.721 22.25,13.919 23.038,13.132 23.038,8.862 v1(25.3,6.6) ; v1(19.423,41.2) 19.426,41.204 19.426,43.836 22.197,46.606 22.904,46.606 v1(22.968,46.542)
EXT_POWER_PLUGGED: C5.2 R5.2 R7.1 U2.4 | length 60.5
  Top Layer w0.152: v1(15.597,47.506) 15.603,47.5 16.129,47.5 16.131,47.503 16.7,47.503 U2.4@16.751,47.554
  Top Layer w0.254: C5.2@7.937,8.7 7.949,8.713 7.949,10.087 R5.2@7.962,10.1 v1(9.138,10.1)
  Bottom Layer w0.152: v1(9.138,10.1) 9.138,12.325 8.687,12.776 8.687,16.256 9.093,16.662 15.646,16.662 17.519,18.535 17.519,25.026 15.3,27.245 15.3,41.088 14.63,41.758 10.084,41.758 9.144,42.697 9.144,45.847 10.797,47.5 15.591,47.5 v1(15.597,47.506)